# Allegro board SG2042_EVB_V1_1.brd (continued)
## Routing (per net, layer and track width the routed paths; a pad name or vN(x,y) marks a point on that pad's centre or on a via; arc(x,y) is an arc through that point) (continued)
  BOTTOM w0.102: R2277.1 291.59,189.66 v1(291.58,189.67)
IIC0_SDA: length 303.9
  TOP w0.102: U2003.3 v1(283.42,188.37) ; R246.1 v1(47.9,177.7)
  ART03 w0.102: v1(281.23,213.08) 281.17,213.08 280.84,213.41 280.84,214.96 277.92,217.88 213.8,217.88 212.73,216.81 202.15,216.81 197.32,211.99 113.24,211.99 111.94,213.28 106.72,213.28 105.42,211.99 86.98,211.99 86.42,212.55 81.89,212.55 81.29,211.94 49.59,211.94 49.1,211.46 v1(48.56,211.46)
  ART10 w0.102: v1(48.56,211.46) 48.56,210.63 46.38,208.44 46.38,194.34 46.61,194.11 46.61,178.99 v1(47.9,177.7) ; v1(283.42,188.37) 282.37,189.42 282.37,194.7 282.37,195.04 281.41,196 281.41,212.9 v1(281.23,213.08)
  BOTTOM w0.102: R197.1 282.89,188.9 v1(283.42,188.37)
IIC0_SDA_H: length 21.2
  TOP w0.102: U2003.18 v1(291.58,188.37) 292.02,188.8 R2278.1 ; R2257.1 v1(287.25,180.19)
  ART03 w0.102: v1(291.58,188.37) 297.64,188.37 J14.5
  ART10 w0.102: v1(287.25,180.19) 290.17,183.11 290.17,186.95 v1(291.58,188.37)
  BOTTOM w0.102: R2278.1 292.02,188.8 v1(291.58,188.37)
IIC1_SCL: length 3.3
  TOP w0.102: R247.1 282.52,188.04 v1(282.84,187.72) U2003.4
  BOTTOM w0.102: v1(282.84,187.72) 282.52,188.04 R247.1
IIC1_SCL_H: length 19.2
  TOP w0.102: U2003.17 v1(292.17,187.72) 292.39,187.93 R2184.1 ; R2258.1 v1(289.84,180.19)
  ART03 w0.102: v1(292.17,187.72) 292.38,187.5 295.96,187.5 J14.7
  ART10 w0.102: v1(292.17,187.72) 292.17,187.03 290.78,185.64 290.78,181.13 v1(289.84,180.19)
  BOTTOM w0.102: v1(292.17,187.72) 292.39,187.93 R2184.1
IIC1_SDA: length 3.7
  TOP w0.102: U2003.5 v1(283.42,187.07) 283.31,187.17 R248.1
  BOTTOM w0.102: v1(283.42,187.07) 283.31,187.17 R248.1
IIC1_SDA_H: length 20.4
  TOP w0.102: R2259.1 v1(288.98,180.19) ; U2003.16 v1(291.58,187.07) 291.59,187.07 R2185.1
  ART03 w0.102: v1(291.58,187.07) 292.06,187.07 292.48,186.64 294.28,186.64 J14.9
  ART10 w0.102: v1(288.98,180.19) 290.58,181.79 290.58,186.06 v1(291.58,187.07)
  BOTTOM w0.102: R2185.1 291.59,187.07 v1(291.58,187.07)
IIC2_SCL: length 307.1
  TOP w0.102: U2003.6 v1(282.84,186.42) ; R249.1 v1(47.9,178.56) ; R2439.2 v1(282.83,194.87) R2434.2
  ART03 w0.102: v1(281.23,213.69) 281.23,214.86 278,218.08 213.71,218.08 212.65,217.02 202.07,217.02 197.24,212.19 113.32,212.19 112.03,213.49 106.63,213.49 105.34,212.19 87.07,212.19 86.51,212.75 81.81,212.75 81.2,212.14 49.25,212.14 v1(48.97,211.86)
  ART10 w0.102: v1(282.84,186.42) 283.39,186.42 283.87,186.89 283.87,193.83 v1(282.83,194.87) 281.61,196.09 281.61,213.31 v1(281.23,213.69) ; v1(48.97,211.86) 48.95,211.84 48.95,210.72 46.58,208.36 46.58,194.42 47.47,193.53 47.47,178.99 v1(47.9,178.56)
  BOTTOM w0.102: R200.1 282.73,186.31 v1(282.84,186.42)
IIC2_SCL_H: length 18.8
  TOP w0.102: U2003.15 v1(292.17,186.42) ; R2260.1 v1(291.57,180.19)
  ART03 w0.102: v1(291.57,180.19) 291.57,179.61 295.97,175.21 J14.15
  ART10 w0.102: v1(292.17,186.42) 292.17,185.73 291.19,184.75 291.19,180.57 v1(291.57,180.19)
  BOTTOM w0.102: R2194.1 292.38,186.21 v1(292.17,186.42)
IIC2_SDA: length 15.8
  TOP w0.102: U2003.7 v1(283.42,185.77) 282.54,185.77 R252.1 ; R2435.2 v1(282.83,195.73) R2438.2
  ART10 w0.102: v1(282.83,195.73) 284.07,194.49 284.07,186.42 v1(283.42,185.77)
  BOTTOM w0.102: R252.1 282.54,185.77 v1(283.42,185.77)
IIC2_SDA_H: length 19.7
  TOP w0.102: R2261.1 v1(290.7,180.19) ; U2003.14 v1(291.58,185.77)
  ART03 w0.102: v1(290.7,180.19) 298.09,172.8 J14.17
  ART10 w0.102: v1(291.58,185.77) 290.98,185.16 290.98,180.48 290.99,180.48 v1(290.7,180.19)
  BOTTOM w0.102: R2195.1 292.36,185.77 v1(291.58,185.77)
IIC3_SCL: length 366.7
  TOP w0.102: R254.1 54.84,182.7 54.2,183.34 46.56,183.34 v1(46.18,182.96) ; U2010.7 v1(19.11,152.62) ; U2003.8 v1(282.84,185.12)
  ART03 w0.102: v1(48.16,211.05) 48.98,211.05 49.67,211.73 81.37,211.73 81.98,212.34 86.34,212.34 86.9,211.79 105.5,211.79 106.8,213.08 111.86,213.08 113.15,211.79 197.41,211.79 202.23,216.61 212.82,216.61 213.88,217.68 277.83,217.68 280.44,215.07 280.44,212.85 v1(280.06,212.47)
  ART10 w0.102: v1(46.18,182.96) 46.18,208.53 48.16,210.51 v1(48.16,211.05) ; v1(19.11,152.62) 18.47,153.26 18.47,171.58 18.52,171.63 18.52,177.6 v1(18.85,177.93) ; v1(282.84,185.12) 281.97,185.99 281.97,194.87 281,195.84 281,211.53 v1(280.06,212.47)
  BOTTOM w0.102: v1(18.85,177.93) 19.02,177.75 39.37,177.75 44.58,182.96 v1(46.18,182.96) ; R202.1 282.3,184.58 v1(282.84,185.12)
IIC3_SCL_H: length 22.8
  TOP w0.102: U2003.13 v1(292.17,185.12)
  ART03 w0.102: J14.19 299.24,171.27 299.24,180.97 298.7,181.51 296.97,181.51 293.36,185.12 v1(292.17,185.12)
  BOTTOM w0.102: v1(292.17,185.12) 292.79,184.5 R2196.1
IIC3_SDA: length 363.5
  TOP w0.102: U2010.6 v1(19.11,153.27) ; U2003.9 v1(283.42,184.47)
  ART03 w0.102: v1(280.06,213.08) 280.06,215.16 277.75,217.47 213.97,217.47 212.9,216.41 202.32,216.41 197.49,211.58 113.07,211.58 111.77,212.88 106.88,212.88 105.59,211.58 86.81,211.58 86.25,212.14 82.06,212.14 81.45,211.53 49.76,211.53 48.87,210.64 v1(47.75,210.64)
  ART10 w0.102: v1(47.75,210.64) 45.97,208.86 45.97,195.53 45.26,194.82 45.26,181.43 45.77,180.92 45.77,176 v1(48.87,172.9) ; v1(18.85,171.42) 18.67,171.25 18.67,153.71 v1(19.11,153.27) ; v1(280.06,213.08) 281.2,211.94 281.2,195.92 282.17,194.95 282.17,194.79 282.17,186.36 283.42,185.11 v1(283.42,184.47)
  BOTTOM w0.102: v1(283.42,184.47) 282.97,184.47 R208.1 ; R255.1 v1(48.87,172.9) 21.11,172.9 19.63,171.42 v1(18.85,171.42)
IIC3_SDA_H: length 27.3
  TOP w0.102: U2003.12 v1(291.58,184.47)
  ART03 w0.102: v1(291.58,184.47) 291.58,185.16 291.95,185.52 293.24,185.52 297.05,181.71 298.79,181.71 299.44,181.06 299.44,168.94 J14.21
  BOTTOM w0.102: R2197.1 292.43,183.62 v1(291.58,184.47)
JTAG0_SRST_X: length 7.8
  TOP w0.102: J11.15 199.49,232.05 D19.1 197.97,227.84 R141.2
JTAG0_TCK: length 8.6
  TOP w0.102: J11.9 191.87,230.54 D17.1 ; R192.1 193.19,230.53 D17.1 ; D17.1 191.88,228.71 R194.2 R145.2
JTAG0_TDI: length 7.6
  TOP w0.102: J11.5 187.81,233.98 D18.1 187.81,229.57 R182.1 R148.2
JTAG0_TDO: length 7.6
  TOP w0.102: J11.13 196.95,231.54 D15.1 195.94,229.57 R175.1 R151.2
JTAG0_TMS: length 7.4
  TOP w0.102: J11.7 189.85,234.49 D16.1 189.85,229.57 R183.1 R154.2
JTAG0_TRST_X: length 7.8
  TOP w0.102: J11.3 185.78,233.47 D14.1 185.78,229.57 R181.1 R193.2 R142.2
JTAG1_SRST_X: length 7.8
  TOP w0.102: J10.15 237.54,232.05 D10.1 236.02,227.84 R159.2
JTAG1_TCK: length 8.6
  TOP w0.102: D8.1 229.93,228.71 R136.2 R162.2 ; D8.1 229.92,230.54 J10.9 ; D8.1 231.24,230.53 R118.1
JTAG1_TDI: length 7.6
  TOP w0.102: R163.2 R99.1 225.86,229.57 D9.1 225.86,233.98 J10.5
JTAG1_TDO: length 7.6
  TOP w0.102: R172.2 R101.1 233.99,229.57 D13.1 235,231.54 J10.13
JTAG1_TMS: length 7.4
  TOP w0.102: J10.7 227.9,234.49 D11.1 227.9,229.57 R100.1 R180.2
JTAG1_TRST_X: length 7.8
  TOP w0.102: R160.2 R133.2 R98.1 223.83,229.57 D12.1 223.83,233.47 J10.3
JTAG2_SRST_X: length 7.8
  TOP w0.102: R174.2 159.9,227.84 D25.1 161.42,232.05 J12.15
JTAG2_TCK: length 8.6
  TOP w0.102: D23.1 155.12,230.53 R245.1 ; D23.1 153.8,228.71 R250.2 R185.2 ; D23.1 153.8,230.54 J12.9
JTAG2_TDI: length 7.6
  TOP w0.102: R188.2 R227.1 149.73,230.52 D24.1 149.74,233.98 J12.5
JTAG2_TDO: length 7.6
  TOP w0.102: R190.2 R229.1 157.87,229.57 D21.1 158.88,231.54 J12.13
JTAG2_TMS: length 7.4
  TOP w0.102: J12.7 151.77,234.49 D22.1 151.77,229.57 R228.1 R191.2
JTAG2_TRST_X: length 7.8
  TOP w0.102: R184.2 R253.2 R226.1 147.71,229.57 D20.1 147.71,233.47 146.18,235
LPC_#INT: length 4.1
  TOP w0.102: R2382.1 R2381.2 227.34,147.18 J2016.24
LPC_#TBL: length 4.1
  TOP w0.102: R2348.2 R2349.1 249.85,144.64 J2016.8
LPC_#WP: length 4.1
  TOP w0.102: J2016.7 249.85,142.1 R2347.1 R2346.2
LPC_A0: length 4.1
  TOP w0.102: J2016.12 249.85,154.8 R2374.1 R2373.2
LPC_A1: length 4.1
  TOP w0.102: R2371.2 R2372.1 249.85,152.26 J2016.11
LPC_A2: length 4.1
  TOP w0.102: R2377.2 R2378.1 249.85,149.72 J2016.10
LPC_A3: length 4.1
  TOP w0.102: R2375.2 R2376.1 249.85,147.18 J2016.9
LPC_CLKRUN: length 1.6
  TOP w0.102: R225.2 283.95,138.32 U807.5
LPC_CLKRUN_H: length 8.4
  TOP w0.102: R2206.2 v1(294.21,138.43)
  BOTTOM w0.102: J13.9 299.36,140.54 296.32,140.54 v1(294.21,138.43)
LPC_GPIO0: length 22.1
  TOP w0.102: R166.2 v1(259.01,127.76) SW4.6
  BOTTOM w0.102: v1(259.01,127.76) 259.64,128.39 259.64,131.58 251.66,139.56 J2016.6
LPC_GPIO1: length 18.8
  TOP w0.102: R165.2 v1(259.01,129.03) SW4.5
  BOTTOM w0.102: J2016.5 252.93,137.02 259.44,130.52 259.44,129.45 v1(259.01,129.03)
LPC_GPIO2: length 15.8
  TOP w0.102: R178.2 v1(259.01,130.3) SW4.4
  BOTTOM w0.102: v1(259.01,130.3) 254.83,134.48 J2016.4
LPC_GPIO3: length 14.2
  TOP w0.102: R177.2 v1(259.01,131.57) SW4.3
  ART03 w0.102: v1(259.01,131.57) 246.97,131.57 J2016.3
LPC_GPIO4: length 52.6
  TOP w0.102: R179.2 v1(259.01,103.33) SW5.6
  ART10 w0.102: v1(259.01,103.33) 251.66,110.68 251.66,129.03 v1(251.28,129.41)
  BOTTOM w0.102: v1(251.28,129.41) 249.99,130.71 231.83,130.71 J2016.30
LPC_LAD0: length 1.6
  TOP w0.102: R232.2 283.94,156.16 U806.1
LPC_LAD0_H: length 54.2
  TOP w0.102: R2211.2 v1(294.21,156.26)
  ART03 w0.102: v1(294.21,156.26) 286.49,163.98 253.24,163.98 J2016.13
LPC_LAD1: length 1.8
  TOP w0.102: R234.2 284.38,154.86 U806.3
LPC_LAD1_H: length 55.4
  TOP w0.102: v1(295.07,156.26) 294.21,155.4 R2212.2
  ART03 w0.102: v1(295.07,156.26) 287.15,164.19 250.9,164.19 J2016.14
LPC_LAD2: length 1.7
  TOP w0.102: R237.2 284.17,154.21 U806.4
LPC_LAD2_H: length 56.6
  TOP w0.102: R2213.2 294.21,154.53 v1(295.94,156.26)
  ART03 w0.102: J2016.15 248.56,164.39 287.81,164.39 v1(295.94,156.26)
LPC_LAD3: length 1.6
  TOP w0.102: R239.2 283.95,153.56 U806.5
LPC_LAD3_H: length 74.8
  TOP w0.102: R2214.2 294.21,153.67 v1(296.8,156.26)
  ART03 w0.102: J2016.17 231.87,163.69 247.41,163.69 248.31,164.59 288.47,164.59 v1(296.8,156.26)
LPC_LCLK: length 1.6
  TOP w0.102: U807.6 283.95,137.67 R231.2
LPC_LCLK_H: length 68.2
  TOP w0.102: R2207.2 v1(294.21,137.57)
  ART03 w0.102: v1(294.21,137.57) 293.78,138 278.56,138 278.28,138.28 239.47,138.28 J2016.31
LPC_LDRQ0: length 1.6
  TOP w0.102: U806.6 283.95,152.91 R241.2
LPC_LDRQ0_H: length 13
  TOP w0.102: R2215.2 v1(294.21,152.81)
  ART10 w0.102: v1(294.21,152.81) 293.62,152.22 293.62,149.95 297.96,145.62 299.36,145.62 J13.11
LPC_LDRQ1: length 1.7
  TOP w0.102: R242.2 284.17,152.26 U806.7
LPC_LDRQ1_H: length 10.8
  TOP w0.102: R2216.2 v1(294.21,151.94)
  ART10 w0.102: J13.13 299.36,148.16 295.71,148.16 293.83,150.04 293.83,151.56 v1(294.21,151.94)
LPC_LFRAME: length 1.8
  TOP w0.102: R244.2 284.38,151.61 U806.8
LPC_LFRAME_H: length 66.9
  TOP w0.102: R2217.2 v1(294.21,151.08)
  ART03 w0.102: J2016.23 231.98,151.1 255.14,151.1 257.71,153.67 273.1,153.67 273.2,153.57 278.97,153.57 281.03,151.51 293.78,151.51 v1(294.21,151.08)
LPC_LPCPD: length 1.9
  TOP w0.102: R472.2 284.59,150.96 U806.9
LPC_LPCPD_H: length 7.8
  TOP w0.102: R2218.2 v1(294.21,150.22)
  ART10 w0.102: v1(294.21,150.22) 294.69,150.7 299.36,150.7 J13.15
LPC_LPME: length 1.6
  TOP w0.102: U807.1 283.94,140.92 R473.2
LPC_LPME_H: length 11
  TOP w0.102: R2203.2 v1(294.21,141.02)
  ART10 w0.102: J13.3 299.36,135.46 297.81,135.46 294.21,139.06 v1(294.21,141.02)
LPC_LSMI: length 1.8
  TOP w0.102: U807.3 284.38,139.62 R474.2
LPC_LSMI_H: length 10.1
  TOP w0.102: R2204.2 294.21,140.16 v1(295.07,141.02)
  ART10 w0.102: J13.5 299.36,138 296.52,138 295.07,139.45 v1(295.07,141.02)
LPC_MODE: length 4.1
  TOP w0.102: J2016.29 227.34,134.48 R2379.2 R2380.1
LPC_RST: length 5.9
  TOP w0.102: J2016.2 249.85,129.4 C3276.2 R2350.2 R2275.1 R2274.1
LPC_SERIRQ: length 1.7
  TOP w0.102: U807.4 284.17,138.97 R475.2
LPC_SERIRQ_H: length 8.1
  TOP w0.102: J13.7 299.36,140.54 297.43,140.54 296.19,139.29 R2205.2
MCU_ATX_ON: length 33.9
  TOP w0.102: R2446.1 v1(240.36,203.1) ; R2445.2 v1(262.86,203.89)
  ART03 w0.102: v1(240.36,203.1) 242.14,204.88 261.87,204.88 v1(262.86,203.89)
MCU_BOOT0: length 2.4
  TOP w0.102: U2009.94 v1(255.95,200.55)
  BOTTOM w0.102: v1(255.95,200.55) 255.95,199.93 R2343.2 R2341.1
MCU_BOOT1: length 2.4
  TOP w0.102: U2009.37 v1(258.45,183.14)
  BOTTOM w0.102: R2342.1 R2344.2 258.44,183.15 v1(258.45,183.14)
MCU_BOOT_SEL6: length 1.7
  TOP w0.102: U807.7 284.17,137.02 R2492.2
MCU_BOOT_SEL6_H: length 69.4
  TOP w0.102: U807.14 v1(290.03,137.02) ; U2009.57 v1(267.66,188.85)
  ART03 w0.102: v1(281.56,136.7) 281.99,137.13 289.92,137.13 v1(290.03,137.02)
  ART10 w0.102: v1(281.56,136.7) 281.84,136.98 281.84,160.93 271.98,170.79 271.98,185.19 271.37,185.8 270.7,185.8 v1(267.66,188.85)
MCU_I2C1_SCL: length 50.6
  TOP w0.102: R2184.2 v1(294.21,187.93) ; R2092.2 v1(257.68,203.89)
  ART03 w0.102: v1(257.68,203.89) 259.61,201.96 281.07,201.96 282.31,200.71 291.01,200.71 v1(292.33,199.39)
  ART10 w0.102: v1(292.33,199.39) 292.71,199.01 292.71,189.43 v1(294.21,187.93)
  BOTTOM w0.102: R2092.2 v1(257.68,203.89)
MCU_I2C1_SDA: length 51.8
  TOP w0.102: R2185.2 v1(294.21,187.07) ; R2091.2 v1(256.82,203.89)
  ART03 w0.102: v1(256.82,203.89) 258.98,201.73 280.97,201.73 282.22,200.48 290.37,200.48 v1(292.33,198.53)
  ART10 w0.102: v1(292.33,198.53) 292.51,198.35 292.51,188.77 v1(294.21,187.07)
  BOTTOM w0.102: R2091.2 v1(256.82,203.89)
MCU_I2C2_SCL: length 52.3
  TOP w0.102: v1(216.8,182.66) 216.74,182.61 U11.8 ; R2303.1 v1(265.43,179.81)
  BOTTOM w0.102: R2303.1 v1(265.43,179.81) 264.84,179.21 251.4,179.21 247.95,182.66 v1(216.8,182.66)
MCU_I2C2_SDA: length 53.4
  TOP w0.102: v1(216.8,182.06) 216.74,182.11 U11.7 ; R2304.1 v1(266.29,179.81)
  BOTTOM w0.102: R2304.1 v1(266.29,179.81) 265.5,179.01 251.32,179.01 247.87,182.46 217.19,182.46 v1(216.8,182.06)
MCU_I2C3_SCL: length 33
  TOP w0.102: R2249.2 v1(270.99,195.73)
  ART03 w0.102: J14.4 299.39,191.69 281.95,191.69 278.24,195.4 271.32,195.4 v1(270.99,195.73)
  BOTTOM w0.102: R2249.2 v1(270.99,195.73)
MCU_I2C3_SDA: length 35.2
  TOP w0.102: R2238.2 v1(270.99,194.87)
  ART03 w0.102: J14.6 299.36,189.18 299.36,191.16 299.03,191.49 281.86,191.49 278.16,195.2 271.32,195.2 v1(270.99,194.87)
  BOTTOM w0.102: R2238.2 v1(270.99,194.87)
MCU_LPC_RST: length 75.5
  TOP w0.102: R2274.2 v1(250.67,132.61) ; R2305.1 v1(264.57,179.81)
  ART10 w0.102: v1(245.72,183.06) 245.14,182.47 245.14,178.2 248.91,174.42 248.91,169.63 251.66,166.88 251.66,133.6 v1(250.67,132.61)
  BOTTOM w0.102: v1(264.57,179.81) 264.18,179.42 251.49,179.42 248.04,182.87 245.91,182.87 v1(245.72,183.06)
MCU_NRST: length 30.3
  TOP w0.102: U2009.14 v1(250.25,191.35) ; R2025.1 TP30.1 v1(272.52,183.57)
  ART03 w0.102: v1(272.52,183.57) 272.52,184.63 271.32,185.83 267.03,185.83 261.95,190.91 250.69,190.91 v1(250.25,191.35)
  BOTTOM w0.102: C3272.2 R2340.1 250.26,191.34 v1(250.25,191.35)
MCU_OK: length 31.8
  TOP w0.102: R2074.2 v1(270.99,189.69) ; R2279.2 v1(294.21,174.42)
  ART03 w0.102: v1(294.21,174.42) 293.67,173.89 289.31,173.89 278.87,184.33 276.35,184.33 v1(270.99,189.69)
  BOTTOM w0.102: R2279.2 v1(294.21,174.42)
MCU_PS_ON#: length 4.6
  TOP w0.102: Q403.3 R2440.1 249.51,194.85 U2009.7
MCU_PWR_OK_C: length 2.1
  TOP w0.102: R2338.1 v1(263.7,179.81) Q2009.3
  BOTTOM w0.102: R2338.1 v1(263.7,179.81)
MCU_SWCLK: length 21.9
  TOP w0.102: R2250.2 268.44,203.28 271.83,199.88 271.83,188.59 TP32.1 R2024.1
MCU_SWDIO: length 17.2
  TOP w0.102: R2106.2 271.37,200.05 271.63,199.8 271.63,186.26 TP31.1 R2023.1
MCU_USART1_RX: length 32.4
  TOP w0.102: R2252.2 v1(258.55,203.89) ; v1(264.95,232.17) 264.9,232.12 U2002.26
  ART10 w0.102: v1(264.95,232.17) 264.57,231.79 264.57,230.5 259.18,225.12 259.18,204.52 v1(258.55,203.89)
MCU_USART1_TX: length 31.5
  TOP w0.102: v1(264.95,231.57) 264.9,231.62 U2002.25 ; R2253.2 v1(259.41,203.89)
  ART10 w0.102: v1(259.41,203.89) 259.41,225.06 264.77,230.42 264.77,231.39 v1(264.95,231.57)
MODE_SEL0: length 203.1
  TOP w0.089: U1.B33 142.08,133.04 142.08,133.85 142.14,133.91
  TOP w0.102: R128.2 v1(259.01,119.35) SW3.3 ; v1(197.49,182.93) 196.95,182.4 191.12,182.4 181.65,172.93 169.4,172.93 165.41,168.93 165.41,164.13 142.14,140.86 142.14,133.91
  ART10 w0.102: v1(246.84,179.91) 246.66,179.73 246.66,178.1 253.49,171.27 253.49,124.88 v1(259.01,119.35)
  BOTTOM w0.102: v1(246.84,179.91) 246.84,180.21 245.8,181.25 218.63,181.25 217.49,180.11 200.3,180.11 v1(197.49,182.93)
MODE_SEL1: length 201.9
  TOP w0.102: v1(200.74,182.3) 200.03,181.58 191.46,181.58 181.99,172.12 169.74,172.12 166.22,168.6 166.22,163.79 143.47,141.04 U1.A34 ; R129.2 v1(259.01,118.08) SW3.4
  ART10 w0.102: v1(259.01,118.08) 253.29,123.81 253.29,171.19 246.46,178.02 246.46,180.39 v1(246.84,180.77)
  BOTTOM w0.102: v1(246.84,180.77) 246.15,181.46 218.55,181.46 217.4,180.31 202.72,180.31 v1(200.74,182.3)
MODE_SEL2: length 202.4
  TOP w0.102: R130.2 v1(259.01,116.81) SW3.5 ; U1.F31 v1(140.97,129.15)
  ART10 w0.102: v1(245.72,179.91) 245.72,178.47 253.09,171.1 253.09,122.74 v1(259.01,116.81)
  BOTTOM w0.102: v1(245.72,179.91) 242.64,179.91 241.7,180.85 218.8,180.85 217.66,179.71 186,179.71 174.06,167.77 171.24,167.77 140.97,137.5 v1(140.97,129.15)
MPS_ALERT_VDDC: length 10.1
  TOP w0.102: R1360.2 J201.3 49.63,197.99 TP3.1 51.68,200.04 54.11,200.04 54.51,199.65 U37.15
MPS_SCL_VDDC: length 9.3
  TOP w0.102: R1361.2 TP2.1 51.44,200.24 54.29,200.24 54.49,200.05 U37.14
MPS_SDA_VDDC: length 10.2
  TOP w0.102: U37.13 52.26,200.45 TP1.1 49.63,203.07 J201.1 R1362.2
MULTI_SCKT: length 221.4
  TOP w0.102: R171.2 v1(259.01,104.6) SW5.5 ; U1.H31 v1(140.97,127.15)
  ART10 w0.102: v1(140.97,127.15) 141.35,127.53 141.35,131.61 141.24,131.73 141.24,139.87 163.29,161.93 173.05,161.93 193.47,182.35 194.77,182.35 v1(195.35,182.93) ; v1(245.72,180.77) 245.34,180.39 245.34,178.28 249.12,174.51 249.12,169.72 251.87,166.97 251.87,111.75 v1(259.01,104.6)
  BOTTOM w0.102: v1(245.72,180.77) 242.06,180.77 241.78,181.05 218.71,181.05 217.57,179.91 198.37,179.91 v1(195.35,182.93)
OSC32_IN: length 7
  TOP w0.102: U2001.1 272.92,218.59 273.46,218.06 273.75,218.06 273.86,218.17 273.86,219.63 C2000.1 273.86,220.34 273.86,221.59 273.76,221.69 Y2000.1
OSC32_OUT: length 7.3
  TOP w0.102: Y2000.2 274.17,221.69 274.07,221.59 274.07,220.34 C2001.1 274.07,219.63 274.07,218.08 273.84,217.86 273.46,217.86 272.92,217.32 U2001.2
PCB_VRE0: length 2.4
  TOP w0.102: U2009.26 v1(252.95,185.05)
  BOTTOM w0.102: v1(252.95,185.05) 252.95,185.67 C3335.2 R2037.2
PCIE0_0_REFCLK_M: length 111.8
  TOP w0.091: v1(181.58,31.76) 181.58,31.49 181.3,31.21 arc(181.21,31.18) 181.12,31.21 arc(181.03,31.25) 180.94,31.21 180.86,31.14 arc(180.82,31.05) 180.86,30.96 arc(180.9,30.87) 180.86,30.78 171.05,20.96 156.35,20.96 150.04,14.65 148.18,14.65 148.09,14.74 148.09,14.84 148,14.94 R298.1 147.55,14.91 R267.2
  ART03 w0.084: 145.8,76.65 145.8,76.67 145.88,76.74 145.88,84.24 146.08,84.44 146.26,84.44 v1(146.47,84.65)
  ART03 w0.107: 145.8,76.65 145.8,69.45 150.36,64.89 150.36,63.81 180.12,34.05 180.12,33.9 180.28,33.73 180.44,33.73 180.6,33.57 180.6,33.41 180.77,33.25 180.92,33.25 181.08,33.08 181.08,32.93 181.25,32.77 181.4,32.77 181.57,32.6 181.57,32.45 181.73,32.28 181.88,32.28 182.12,32.05 182.12,31.89 181.99,31.76 v1(181.58,31.76)
PCIE0_0_REFCLK_P: length 111.8
  TOP w0.091: R266.2 147.55,14.05 R299.1 148,14.02 148.09,14.11 148.09,14.22 148.18,14.31 150.18,14.31 156.49,20.62 171.19,20.62 181.82,31.25 v1(182.09,31.25)
  ART03 w0.084: 146.14,76.65 146.14,76.66 146.07,76.73 146.07,84.16 146.15,84.25 146.39,84.25 146.47,84.17 v1(146.47,83.65)
  ART03 w0.107: v1(182.09,31.25) 182.09,31.38 182.45,31.75 182.45,32.19 150.7,63.95 150.7,65.03 146.14,69.59 146.14,76.65
PCIE0_1_REFCLK_M: length 101.5
  TOP w0.091: v1(179.55,33.79) 179.55,33.53 179.28,33.26 arc(179.18,33.22) 179.09,33.26 arc(178.99,33.3) 178.89,33.26 178.83,33.19 arc(178.79,33.1) 178.83,33 178.83,33 arc(178.87,32.9) 178.83,32.81 169.44,23.42 155.36,23.42 150.04,18.1 148.18,18.1 148.09,18.19 148.09,18.3 148,18.39 R296.1 147.55,18.36 R269.2
  ART10 w0.084: 147.14,76.65 147.14,76.66 147.07,76.73 147.07,79.05 v1(146.47,79.65)
  ART10 w0.107: v1(179.55,33.79) 179.55,33.42 179.39,33.27 179.24,33.27 178.34,34.17 178.34,34.83 arc(178.4,34.98) 178.55,35.04 178.7,35.04 arc(178.91,35.25) 178.7,35.47 178.55,35.47 arc(178.4,35.53) 178.34,35.68 178.34,36.3 150.7,63.95 150.7,65.03 147.14,68.59 147.14,76.65
PCIE0_1_REFCLK_P: length 101.5
  TOP w0.091: R268.2 147.55,17.5 R297.1 148,17.48 148.09,17.57 148.09,17.67 148.18,17.76 150.18,17.76 155.5,23.08 169.58,23.08 179.78,33.29 v1(180.05,33.29)
  ART10 w0.084: 146.8,76.65 146.8,76.67 146.88,76.74 146.88,78.97 146.71,79.14 146.56,79.14 146.47,79.06 v1(146.47,78.65)
  ART10 w0.107: 146.8,76.65 146.8,68.45 150.36,64.89 150.36,63.81 178,36.16 178,34.03 179.1,32.93 179.53,32.93 179.88,33.28 179.88,33.29 v1(180.05,33.29)
PCIE0_2_REFCLK_M: length 156.7
  TOP w0.091: v1(262.41,18.97) 262.57,18.81 263.44,18.81 264.2,19.57 264.2,38.04 273.73,47.57 274.42,47.57 274.51,47.66 274.51,47.77 274.6,47.86 R294.1 275.32,47.57 275.97,47.57 276.06,47.66 276.06,47.81 276.15,47.9 J2018.A14 ; v1(147.93,21.72) 147.77,21.56 146.92,21.56 R271.2
  ART03 w0.107: v1(147.93,21.72) 148.09,21.56 171.65,21.56 175.91,17.29 259.59,17.29 261.1,18.81 262.25,18.81 v1(262.41,18.97)
PCIE0_2_REFCLK_P: length 156.7
  TOP w0.091: v1(147.93,21.06) 147.77,21.22 146.92,21.22 R270.2 ; J2018.A13 276.15,46.9 276.06,46.99 276.06,47.14 275.97,47.23 275.32,47.23 R295.1 274.6,46.94 274.51,47.03 274.51,47.14 274.42,47.23 273.87,47.23 264.54,37.9 264.54,19.43 263.58,18.47 262.57,18.47 v1(262.41,18.31)
  ART03 w0.107: v1(147.93,21.06) 148.09,21.22 171.51,21.22 175.77,16.96 259.73,16.96 261.24,18.47 262.25,18.47 v1(262.41,18.31)
PCIE0_3_REFCLK_M: length 115.6
  TOP w0.091: R275.2 146.92,23.38 147.77,23.38 v1(147.93,23.55) ; J2019.A14 235.51,47.9 235.42,47.81 235.42,47.66 235.33,47.57 234.68,47.57 R292.1 233.96,47.86 233.87,47.77 233.87,47.66 233.78,47.57 233.09,47.57 223.56,38.04 223.56,19.57 222.8,18.81 221.93,18.81 v1(221.77,18.97)
  ART03 w0.107: v1(147.93,23.55) 148.09,23.38 171.97,23.38 176.54,18.81 221.61,18.81 v1(221.77,18.97)
PCIE0_3_REFCLK_P: length 115.6
  TOP w0.091: v1(221.77,18.31) 221.93,18.47 222.94,18.47 223.9,19.43 223.9,37.9 233.23,47.23 233.78,47.23 233.87,47.14 233.87,47.03 233.96,46.94 R293.1 234.68,47.23 235.33,47.23 235.42,47.14 235.42,46.99 235.51,46.9 J2019.A13 ; v1(147.93,22.89) 147.77,23.05 146.92,23.05 R274.2
  ART03 w0.107: v1(221.77,18.31) 221.61,18.47 176.4,18.47 171.83,23.05 148.09,23.05 v1(147.93,22.89)
PCIE0_ATB_0: length 101.8
  TOP w0.102: U1.H29 v1(138.97,127.15) ; T37.1 v1(194.46,197.61)
  ART10 w0.102: v1(194.46,197.61) 194.28,197.43 194.28,186.04 174.85,166.6 165.09,166.6 137.59,139.1 137.59,128.53 v1(138.97,127.15)
PCIE0_ATB_1: length 102.1
  TOP w0.102: U1.G29 v1(138.97,128.15) ; T34.1 v1(195.94,198.81)
  ART10 w0.102: v1(195.94,198.81) 195.33,198.2 195.33,197.56 194.79,197.02 194.79,185.83 174.19,165.23 164.44,165.23 138.13,138.92 138.13,131.6 138.35,131.38 138.35,128.77 v1(138.97,128.15)
PCIE0_L0_CLKREQ_IN_X: length 122.8
  TOP w0.102: U814.3 199.64,220.07 v1(198.99,219.42) ; U1.E31 v1(139.97,130.15)
  ART10 w0.102: v1(198.99,219.42) 198.35,218.77 198.35,198.26 196.47,196.38 196.47,188.34 195.71,187.58 195.71,185.45 172.79,162.53 163.04,162.53 139.59,139.09 139.59,130.53 v1(139.97,130.15)
PCIE0_L0_CLKREQ_IN_X_H: length 238.3
  TOP w0.102: J2018.B12 286.74,45.9 R2401.1 R2410.1 v1(288.29,45.82) ; R1332.2 209.83,220.6 v1(210.69,221.46)
  ART03 w0.102: v1(210.69,221.46) 212.09,222.86 242.28,222.86 243.5,221.64 244.88,221.64 v1(245.67,222.43)
  ART10 w0.102: v1(288.29,45.82) 289.03,46.56 289.03,114.55 271.7,131.87 271.7,164.41 254.35,181.76 252.71,181.76 249.05,185.43 249.05,198.53 245.47,202.11 245.47,212.1 246.08,212.71 246.08,222.02 v1(245.67,222.43)
PCIE0_L0_RESET_X: length 379.7
  TOP w0.102: v1(195.88,188.52) 195.88,187.74 181.48,173.33 169.23,173.33 165,169.1 165,164.3 141.47,140.77 U1.A32 ; R2276.2 v1(15.37,134.8) ; U814.1 v1(198.99,221.37)
  ART10 w0.102: v1(38.86,212.27) 38.86,211.15 38.07,210.37 38.07,197.21 28.93,188.07 28.76,188.07 28.76,188.07 28.1,188.07 18.29,178.26 18.29,175.06 18.16,174.93 18.16,153.31 17.88,153.03 17.88,137.31 v1(15.37,134.8) ; v1(195.88,188.52) 196.27,188.9 196.27,196.47 198.15,198.35 198.15,220.52 v1(198.99,221.37)
  BOTTOM w0.102: v1(38.86,212.27) 40.26,212.27 42.91,214.91 46.79,214.91 48.69,213 105.16,213 106.65,214.5 167.85,214.5 175.32,221.97 198.39,221.97 v1(198.99,221.37)
PCIE0_L0_RESET_X_H: length 252.4
  TOP w0.102: J2018.A11 276.23,42.9 275.41,43.71 R2400.1 R2409.1 v1(274.17,43.1) ; R1311.2 v1(209.83,221.46)
  ART03 w0.102: v1(245.06,222.43) 244.47,221.84 243.59,221.84 242.37,223.06 211.43,223.06 v1(209.83,221.46)
  ART10 w0.102: v1(274.17,43.1) 275.06,43.1 277.41,45.45 286.8,45.45 288.82,47.47 288.82,114.47 271.5,131.79 271.5,164.32 254.26,181.56 252.63,181.56 248.84,185.34 248.84,198.45 245.26,202.03 245.26,212.18 245.87,212.79 245.87,221.62 v1(245.06,222.43)
PCIE0_L0_WAKEUP_X: length 121.1
  TOP w0.089: U1.C32 141.08,132.04 141.08,133.85 141.14,133.91
  TOP w0.102: v1(196.85,190.25) 195.98,190.25 195.49,189.76 195.49,187.63 181.4,173.54 169.15,173.54 164.8,169.19 164.8,164.38 141.14,140.72 141.14,133.91 ; U814.4 v1(199.86,219.42)
  ART10 w0.102: v1(199.86,219.42) 198.55,218.11 198.55,198.18 196.85,196.48 v1(196.85,190.25)
